# KiCad board TERES_PCB1-A64-MAIN_Rev.B.kicad_pcb
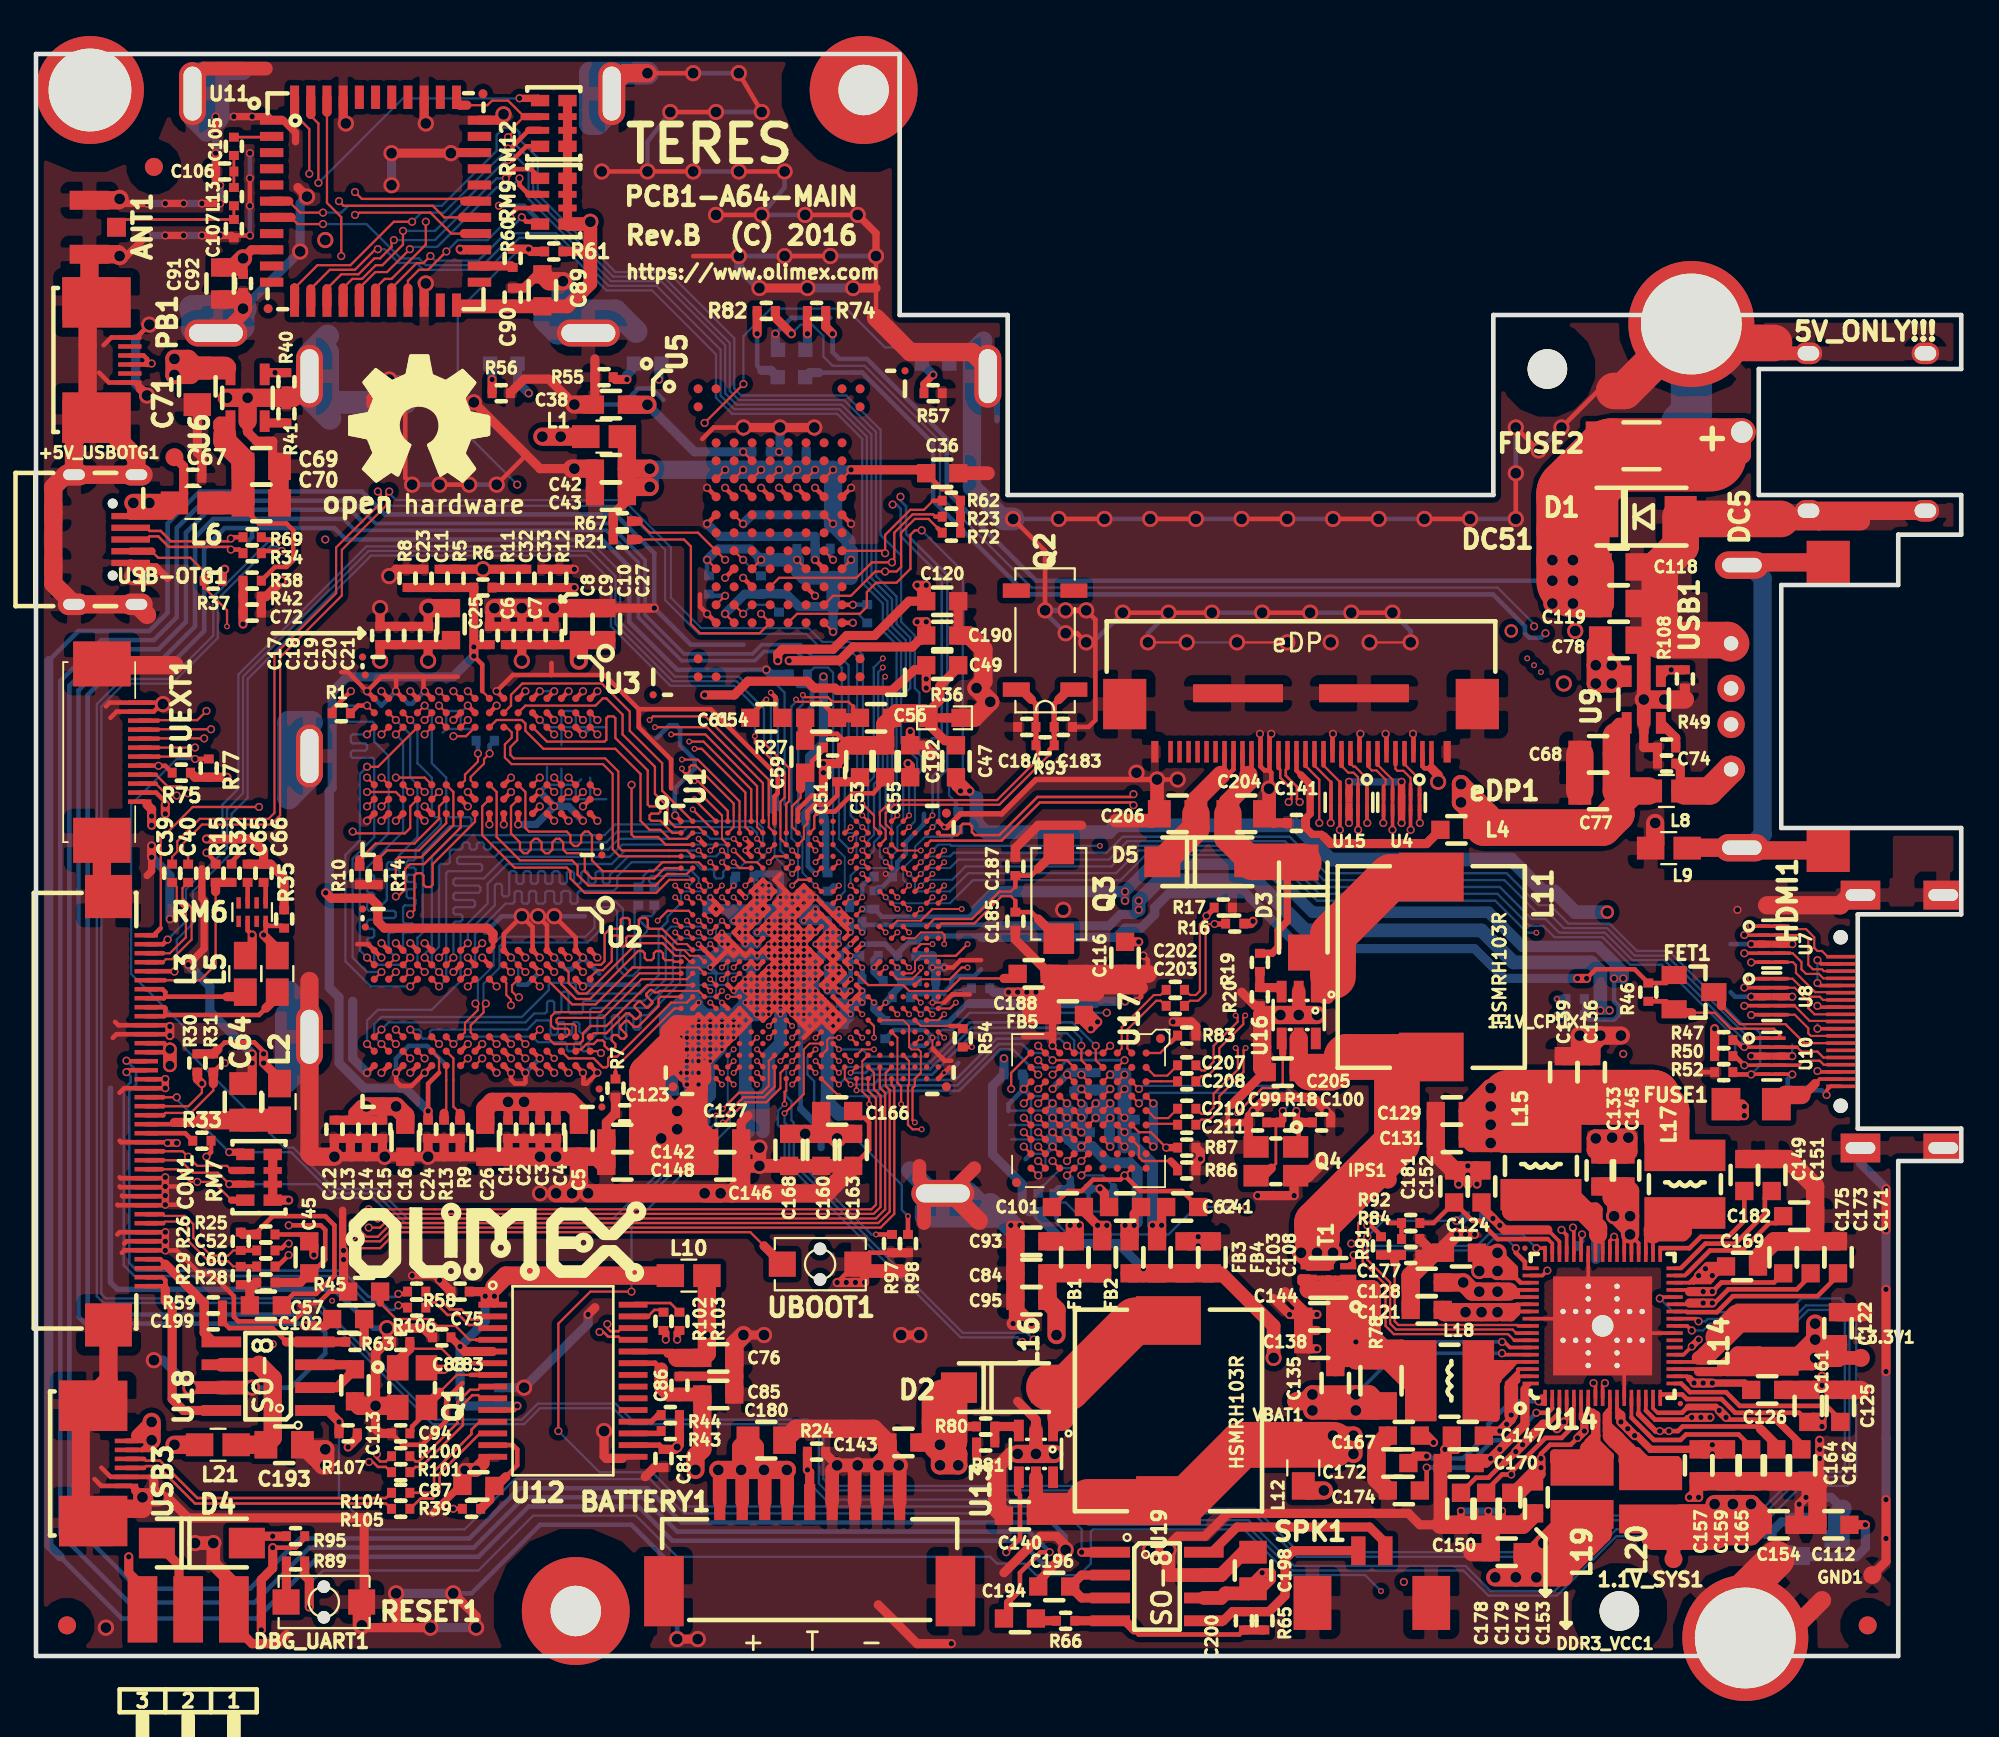
[diagram p0: board, top side]
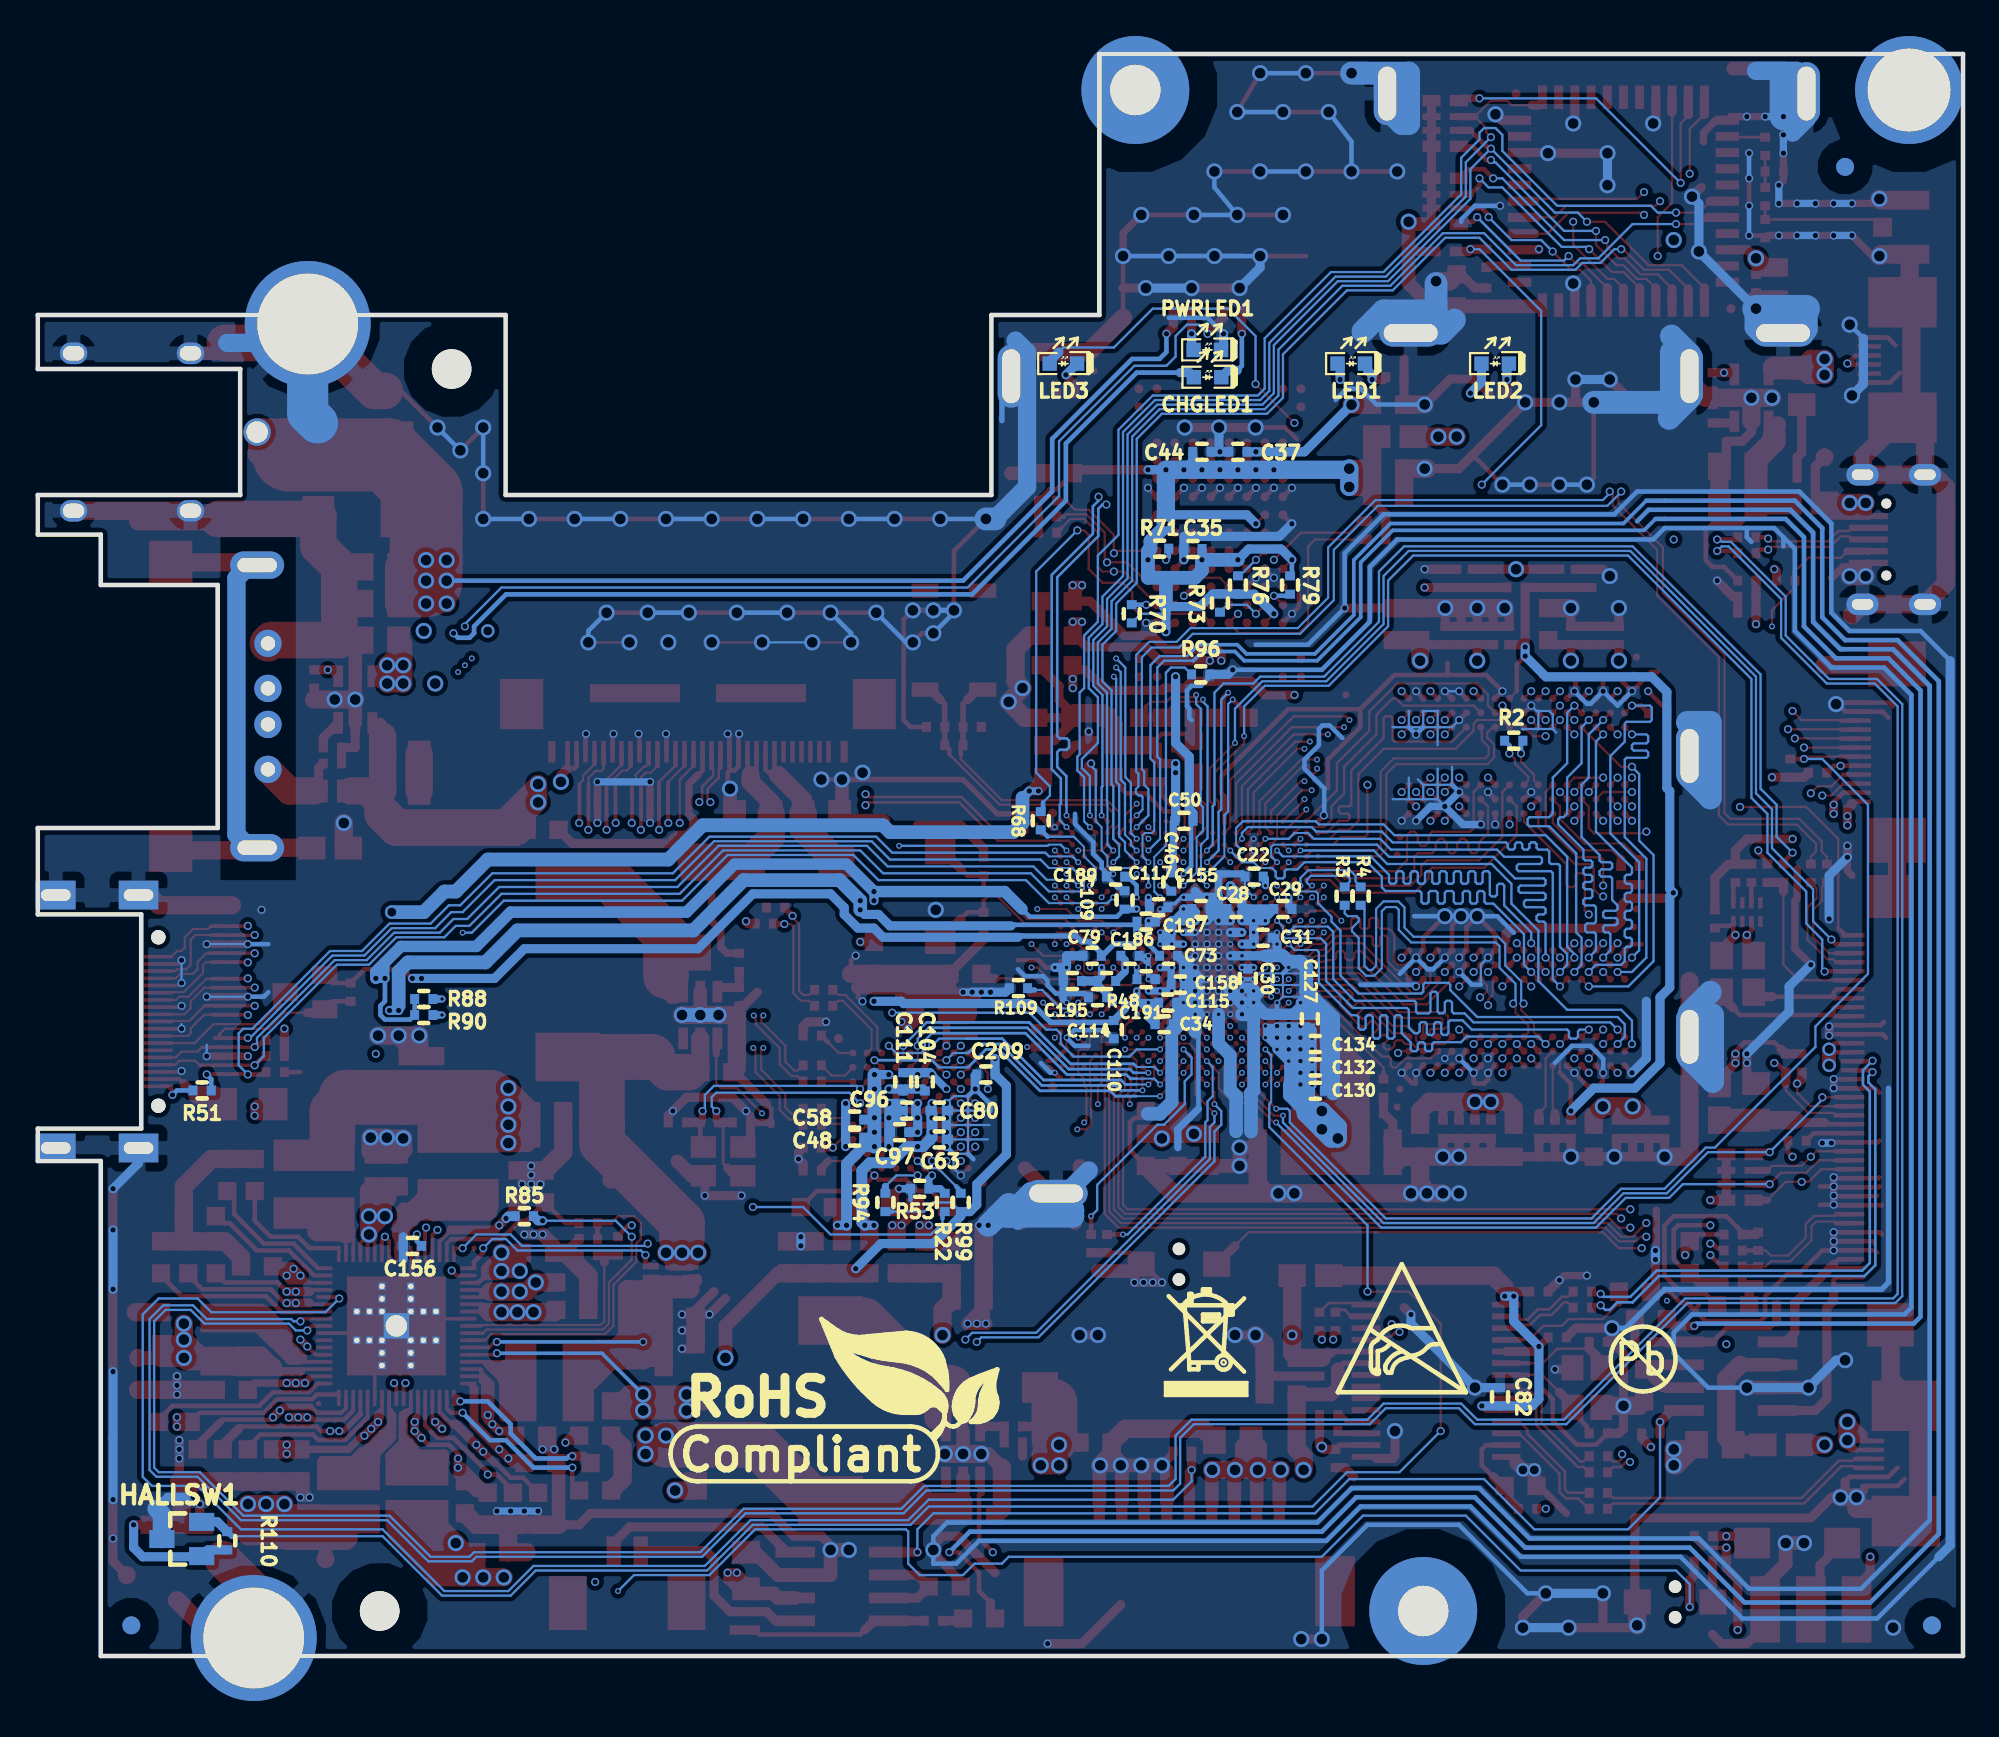
[diagram p1: board, bottom side, seen from below]

Outline 107 x 89 mm; copper layers: Top, In1.Cu (plane), In2.Cu, In3.Cu, In4.Cu (plane), Bottom. Coordinates in mm from the lower left corner of the outline.
Outline path: 0,89 48,89 48,74.5 54,74.5 54,64.5 81,64.5 81,74.5 107,74.5 107,71.5 95.75,71.5 95.75,64.5 107,64.5 107,62.3 103.5,62.3 103.5,59.5 97,59.5 97,46 107,46 107,41.2 101.25,41.2 101.25,29.3 107,29.3 107,27.5 103.5,27.5 103.5,0 0,0 0,89

## Placement (name value [footprint] x y rotation side)
1.1V_CPUX1  TESTPAD  [TESTPAD_40-ROUND]  83.26 31.67 0 top
1.1V_SYS1  TESTPAD  [TESTPAD_40-ROUND]  91.01 5.39 0 top
+3.3V1  TESTPAD  [TESTPAD_40-ROUND]  101.42 16.56 0 top
+5V_USBOTG1  +5V_USBOTG  [TESTPAD_40-ROUND]  7.7 66.6 0 top
ANT1  PCB_WIFI_ANT  [U.FL-R-SMT-1]  2.97 79.38 90 top
BATTERY1  BATTCON  [BATCONN-TERES]  43 4.8 180 top
C1  100nF  [C_0402_5MIL_DWS]  26.24 29.26 270 top
C2  100nF  [C_0402_5MIL_DWS]  27.13 29.26 270 top
C3  100nF  [C_0402_5MIL_DWS]  28.02 29.26 270 top
C4  100nF  [C_0402_5MIL_DWS]  28.91 29.26 270 top
C5  10uF/6.3V/0603  [C_0603_5MIL_DWS]  30.18 28.63 270 top
C6  100nF  [C_0402_5MIL_DWS]  26.11 56.69 90 top
C7  100nF  [C_0402_5MIL_DWS]  27 56.69 90 top
C8  100nF  [C_0402_5MIL_DWS]  27.89 56.69 90 top
C9  100nF  [C_0402_5MIL_DWS]  28.78 56.69 90 top
C10  10uF/6.3V/0603  [C_0603_5MIL_DWS]  30.18 57.33 90 top
C11  100nF  [C_0402_5MIL_DWS]  22.43 59.87 270 top
C12  100nF  [C_0402_5MIL_DWS]  16.59 29.26 270 top
C13  100nF  [C_0402_5MIL_DWS]  17.47 29.26 270 top
C14  100nF  [C_0402_5MIL_DWS]  18.36 29.26 270 top
C15  100nF  [C_0402_5MIL_DWS]  19.25 29.26 270 top
C16  10uF/6.3V/0603  [C_0603_5MIL_DWS]  20.52 28.63 270 top
C17  100nF  [C_0402_5MIL_DWS]  19.13 56.69 90 top
C18  100nF  [C_0402_5MIL_DWS]  20.02 56.69 90 top
C19  100nF  [C_0402_5MIL_DWS]  20.9 56.69 90 top
C20  100nF  [C_0402_5MIL_DWS]  21.79 56.69 90 top
C21  10uF/6.3V/0603  [C_0603_5MIL_DWS]  23.06 57.33 90 top
C22  100nF  [C_0402_5MIL_DWS]  39.4 43.3 180 bottom
C23  100nF  [C_0402_5MIL_DWS]  21.54 59.87 90 top
C24  100nF  [C_0402_5MIL_DWS]  21.79 29.26 270 top
C25  100nF  [C_0402_5MIL_DWS]  25.22 56.69 90 top
C26  10uF/6.3V/0603  [C_0603_5MIL_DWS]  24.97 28.63 270 top
C27  1uF/6.3V/0603  [C_0603_5MIL_DWS]  31.7 57.33 90 top
C28  100nF  [C_0402_5MIL_DWS]  40.4 41.5 0 bottom
C29  100nF  [C_0402_5MIL_DWS]  37.8 41.5 180 bottom
C30  100nF  [C_0402_5MIL_DWS]  39.75 37.65 270 bottom
C31  100nF  [C_0402_5MIL_DWS]  38.9 39.9 180 bottom
C32  100nF  [C_0402_5MIL_DWS]  27.25 59.87 90 top
C33  100nF  [C_0402_5MIL_DWS]  28.14 59.87 270 top
C34  100nF  [C_0402_5MIL_DWS]  44.4 35.1 0 bottom
C35  100nF  [C_0402_5MIL_DWS]  42.8 61.5 180 bottom
C36  1uF/6.3V/0603  [C_0603_5MIL_DWS]  50.37 65.71 180 top
C37  100nF  [C_0402_5MIL_DWS]  40.3 66.9 180 bottom
C38  1uF/6.3V/0603  [C_0603_5MIL_DWS]  31.95 69.52 0 top
C39  100nF  [C_0402_5MIL_DWS]  7.57 43.48 270 top
C40  100nF  [C_0402_5MIL_DWS]  8.46 43.48 270 top
C41  4.7uF/6.3V  [C_0603_5MIL_DWS]  63.7 24.94 180 top
C42  10uF/6.3V/0603  [C_0603_5MIL_DWS]  31.95 65.96 180 top
C43  1uF/6.3V/0603  [C_0603_5MIL_DWS]  31.95 64.44 180 top
C44  100nF  [C_0402_5MIL_DWS]  42.3 66.9 180 bottom
C45  1uF/6.3V/0603  [C_0603_5MIL_DWS]  15.19 22.15 90 top
C46  100nF  [C_0402_5MIL_DWS]  44 43 90 bottom
C47  10uF/6.3V/0603  [C_0603_5MIL_DWS]  51.13 49.71 270 top
C48  100nF/6.3V  [C_0402_5MIL_DWS]  61.6 28.8 180 bottom
C49  10uF/6.3V/0603  [C_0603_5MIL_DWS]  50.37 55.04 0 top
C50  100nF  [C_0402_5MIL_DWS]  43.3 46.4 180 bottom
C51  100nF  [C_0402_5MIL_DWS]  44.53 49.07 90 top
C52  100nF  [C_0402_5MIL_DWS]  12.78 22.53 0 top
C53  10uF/6.3V/0603  [C_0603_5MIL_DWS]  45.8 49.71 90 top
C54  10uF/6.3V/0603  [C_0603_5MIL_DWS]  43.64 52.12 0 top
C55  1uF/6.3V/0603  [C_0603_5MIL_DWS]  47.19 49.71 90 top
C56  2.2uF/6.3V/0603  [C_0603_5MIL_DWS]  46.69 52.12 180 top
C57  10uF/6.3V/0603  [C_0603_5MIL_DWS]  12.78 19.48 0 top
C58  10nF/6.3V  [C_0402_5MIL_DWS]  61.6 29.8 180 bottom
C59  10uF/6.3V/0603  [C_0603_5MIL_DWS]  42.75 49.96 90 top
C60  100nF  [C_0402_5MIL_DWS]  12.78 21.64 0 top
C61  2.2uF/6.3V/0603  [C_0603_5MIL_DWS]  40.59 52.12 0 top
C62  4.7uF/6.3V  [C_0603_5MIL_DWS]  60.53 24.94 0 top
C63  100nF/6.3V  [C_0402_5MIL_DWS]  56.9 28.7 0 bottom
C64  47uF/6.3V/0805  [C_0805_5MIL_DWS]  11.51 30.78 90 top
C65  100nF  [C_0402_5MIL_DWS]  11.76 43.48 270 top
C66  100nF  [C_0402_5MIL_DWS]  12.65 43.48 270 top
C67  100nF  [C_0402_5MIL_DWS]  8.71 65.46 0 top
C68  47uF/6.3V/0805  [C_0805_5MIL_DWS]  86.82 50.09 0 top
C69  47uF/6.3V/0805  [C_0805_5MIL_DWS]  12.52 66.09 180 top
C70  47uF/6.3V/0805  [C_0805_5MIL_DWS]  12.52 64.06 180 top
C71  47uF/6.3V/0805  [C_0805_5MIL_DWS]  8.97 70.54 270 top
C72  100nF  [C_0402_5MIL_DWS]  12.01 57.96 180 top
C73  100nF  [C_0402_5MIL_DWS]  44.15 38.9 0 bottom
C74  100nF  [C_0402_5MIL_DWS]  90.63 49.58 180 top
C75  100nF  [C_0402_5MIL_DWS]  23.57 20.24 180 top
C76  10uF  [C_0603_5MIL_DWS]  37.92 16.56 0 top
C77  47uF/6.3V/0805  [C_0805_5MIL_DWS]  86.82 48.06 0 top
C78  47uF/6.3V/0805  [C_0805_5MIL_DWS]  87.96 56.44 0 top
C79  100nF  [C_0402_5MIL_DWS]  48.4 38.9 180 bottom
C80  10nF/6.3V  [C_0402_5MIL_DWS]  56.9 30.3 0 bottom
C81  100nF  [C_0402_5MIL_DWS]  34.87 10.97 270 top
C82  100nF  [C_0402_5MIL_DWS]  25.73 14.4 90 bottom
C83  100nF  [C_0402_5MIL_DWS]  22.56 17.7 180 top
C84  22uF/6.3V  [C_0603_5MIL_DWS]  55.32 21.26 180 top
C85  10uF  [R_0603_5MIL_DWS]  37.92 14.53 180 top
C86  100nF  [C_0402_5MIL_DWS]  35.76 15.04 90 top
C87  1uF  [C_0603_5MIL_DWS]  24.59 9.45 180 top
C88  33pF  [C_0402_5MIL_DWS]  20.27 17.45 180 top
C89  10uF/6.3V/0603  [C_0603_5MIL_DWS]  28.14 75.87 270 top
C90  100nF  [C_0402_5MIL_DWS]  26.49 75.49 270 top
C91  10uF/6.3V/0603  [C_0603_5MIL_DWS]  10.24 76.25 90 top
C92  100nF  [C_0402_5MIL_DWS]  11.51 76.25 90 top
C93  4.7uF/6.3V  [C_0603_5MIL_DWS]  55.32 23.04 0 top
C94  33pF  [C_0402_5MIL_DWS]  20.27 12.37 180 top
C95  22uF/6.3V  [C_0603_5MIL_DWS]  55.32 19.74 180 top
C96  100nF/6.3V  [C_0402_5MIL_DWS]  58.7 30.3 180 bottom
C97  10nF/6.3V  [C_0402_5MIL_DWS]  59.1 29.1 180 bottom
C99  22pF  [C_0402_5MIL_DWS]  67.89 29.64 180 top
C100  22pF  [C_0402_5MIL_DWS]  71.45 29.64 180 top
C101  4.7uF/6.3V  [C_0603_5MIL_DWS]  57.35 24.94 0 top
C102  1uF/6.3V/0603  [C_0603_5MIL_DWS]  17.35 18.72 180 top
C103  22uF/6.3V  [C_0603_5MIL_DWS]  63.83 22.15 90 top
C104  100nF/6.3V  [C_0402_5MIL_DWS]  57.7 31.9 270 bottom
C105  10pF  [C_0402_5MIL_DWS]  11 83.87 270 top
C106  0.8pF  [C_0402_5MIL_DWS]  10.49 82.47 0 top
C107  1.5pF  [C_0402_5MIL_DWS]  11 79.3 90 top
C108  22uF/6.3V  [C_0603_5MIL_DWS]  65.35 22.15 90 top
C109  100nF  [C_0402_5MIL_DWS]  46.6 42 90 bottom
C110  100nF  [C_0402_5MIL_DWS]  47.2 34.8 90 bottom
C111  10nF/6.3V  [C_0402_5MIL_DWS]  58.9 31.9 270 bottom
C112  1uF/6.3V/0603  [C_0603_5MIL_DWS]  99.9 7.29 0 top
C113  1uF/6.3V/0603  [C_0603_5MIL_DWS]  17.73 15.04 270 top
C114  (na)100nF  [C_0402_5MIL_DWS]  48.1 36.6 180 bottom
C115  100nF  [C_0402_5MIL_DWS]  44.2 36.3 0 bottom
C116  10uF/6.3V/0603  [C_0603_5MIL_DWS]  60.53 38.79 90 top
C117  100nF  [C_0402_5MIL_DWS]  44.7 41.6 0 bottom
C118  47uF/6.3V/0805  [C_0805_5MIL_DWS]  87.96 60.5 180 top
C119  47uF/6.3V/0805  [C_0805_5MIL_DWS]  87.96 58.47 180 top
C120  1uF/6.3V/0603  [C_0603_5MIL_DWS]  50.37 58.6 180 top
C121  10uF/6.3V/0603  [C_0603_5MIL_DWS]  77.29 19.23 180 top
C122  10uF/6.3V/0603  [C_0603_5MIL_DWS]  100.15 18.21 270 top
C123  100nF  [C_0402_5MIL_DWS]  32.72 30.15 0 top
C124  10uF/6.3V/0603  [C_0603_5MIL_DWS]  79.2 22.4 180 top
C125  10uF/6.3V/0603  [C_0603_5MIL_DWS]  100.28 13.89 270 top
C126  10uF/6.3V/0603  [C_0603_5MIL_DWS]  96.22 14.78 180 top
C127  100nF  [C_0402_5MIL_DWS]  36.3 35.4 270 bottom
C128  10uF/6.3V/0603  [C_0603_5MIL_DWS]  77.29 20.75 180 top
C129  10uF/6.3V/0603  [C_0603_5MIL_DWS]  78.69 30.28 0 top
C130  100nF  [C_0402_5MIL_DWS]  36 31.4 0 bottom
C131  10uF/6.3V/0603  [C_0603_5MIL_DWS]  78.69 28.75 0 top
C132  100nF  [C_0402_5MIL_DWS]  36 32.7 0 bottom
C133  10uF/6.3V/0603  [C_0603_5MIL_DWS]  86.94 26.97 270 top
C134  100nF  [C_0402_5MIL_DWS]  36 34 0 bottom
C135  1uF/6.3V/0603  [C_0603_5MIL_DWS]  72.21 15.16 270 top
C136  10uF/6.3V/0603  [C_0603_5MIL_DWS]  86.44 32.44 270 top
C137  1uF/6.3V/0603  [C_0603_5MIL_DWS]  38.3 28.75 180 top
C138  10uF/6.3V/0603  [C_0603_5MIL_DWS]  71.32 17.32 180 top
C139  10uF/6.3V/0603  [C_0603_5MIL_DWS]  84.91 32.44 270 top
C140  10uF/6.3V/0603  [C_0603_5MIL_DWS]  54.69 7.8 0 top
C141  100nF  [C_0402_5MIL_DWS]  70.05 46.28 180 top
C142  1uF/6.3V/0603  [C_0603_5MIL_DWS]  32.59 28.75 0 top
C143  10uF/6.3V/0603  [C_0603_5MIL_DWS]  48.21 11.86 0 top
C144  10uF/6.3V/0603  [C_0603_5MIL_DWS]  71.32 18.85 180 top
C145  10uF/6.3V/0603  [C_0603_5MIL_DWS]  88.34 26.97 270 top
C146  10uF/6.3V/0603  [C_0603_5MIL_DWS]  38.3 27.23 180 top
C147  10uF/6.3V/0603  [C_0603_5MIL_DWS]  79.58 12.24 180 top
C148  10uF/6.3V/0603  [C_0603_5MIL_DWS]  32.59 27.23 0 top
C149  10uF/6.3V/0603  [C_0603_5MIL_DWS]  94.94 26.72 90 top
C150  10uF/6.3V/0603  [C_0603_5MIL_DWS]  81.74 5.77 0 top
C151  10uF/6.3V/0603  [C_0603_5MIL_DWS]  96.47 26.72 90 top
C152  10uF/6.3V/0603  [C_0603_5MIL_DWS]  80.34 26.09 90 top
C153  10uF/6.3V/0603  [C_0603_5MIL_DWS]  83.26 8.81 90 top
C154  10uF/6.3V/0603  [C_0603_5MIL_DWS]  96.85 7.29 180 top
C155  100nF  [C_0402_5MIL_DWS]  42.35 41.5 0 bottom
C156  100nF  [C_0402_5MIL_DWS]  86.18 22.78 180 bottom
C157  10uF/6.3V/0603  [C_0603_5MIL_DWS]  92.41 10.59 90 top
C158  100nF  [C_0402_5MIL_DWS]  43.5 37.3 0 bottom
C159  10uF/6.3V/0603  [C_0603_5MIL_DWS]  93.93 10.59 90 top
C160  1uF/6.3V/0603  [C_0603_5MIL_DWS]  43.64 28.12 90 top
C161  10uF/6.3V/0603  [C_0603_5MIL_DWS]  98.5 13.89 270 top
C162  10uF/6.3V/0603  [C_0603_5MIL_DWS]  98.12 10.59 90 top
C163  1uF/6.3V/0603  [C_0603_5MIL_DWS]  45.41 28.12 90 top
C164  10uF/6.3V/0603  [C_0603_5MIL_DWS]  96.72 10.59 90 top
C165  10uF/6.3V/0603  [C_0603_5MIL_DWS]  95.33 10.59 90 top
C166  10uF/6.3V/0603  [C_0603_5MIL_DWS]  44.53 30.28 180 top
C167  10uF/6.3V/0603  [C_0603_5MIL_DWS]  76.02 12.24 0 top
C168  10uF/6.3V/0603  [C_0603_5MIL_DWS]  41.86 28.12 90 top
C169  10uF/6.3V/0603  [C_0603_5MIL_DWS]  94.82 21.64 0 top
C170  10uF/6.3V/0603  [C_0603_5MIL_DWS]  79.07 10.72 0 top
C171  10uF/6.3V/0603  [C_0603_5MIL_DWS]  100.15 22.15 90 top
C172  10uF/6.3V/0603  [C_0603_5MIL_DWS]  75.39 10.72 0 top
C173  10uF/6.3V/0603  [C_0603_5MIL_DWS]  98.63 22.15 90 top
C174  NA(10uF/6.3V/0603)  [C_0603_5MIL_DWS]  76.02 9.19 0 top
C175  10uF/6.3V/0603  [C_0603_5MIL_DWS]  97.1 22.15 90 top
C176  10uF/6.3V/0603  [C_0603_5MIL_DWS]  81.99 8.18 90 top
C177  100nF  [C_0402_5MIL_DWS]  76.4 22.28 180 top
C178  10uF/6.3V/0603  [C_0603_5MIL_DWS]  79.2 8.18 90 top
C179  10uF/6.3V/0603  [C_0603_5MIL_DWS]  80.59 8.18 90 top
C180  47uF/6.3V/0805  [C_0805_5MIL_DWS]  40.59 11.99 180 top
C181  1uF/6.3V/0603  [C_0603_5MIL_DWS]  78.82 26.09 270 top
C182  1uF/6.3V/0603  [C_0603_5MIL_DWS]  97.99 24.44 180 top
C183  10pF  [C_0402_5MIL_DWS]  57.1 51.61 0 top
C184  10pF  [C_0402_5MIL_DWS]  55.07 51.61 180 top
C185  33pF  [C_0402_5MIL_DWS]  54.43 40.82 270 top
C186  100nF  [C_0402_5MIL_DWS]  46.3 38.9 0 bottom
C187  33pF  [C_0402_5MIL_DWS]  54.43 43.87 90 top
C188  10uF/6.3V/0603  [C_0603_5MIL_DWS]  55.45 37.9 180 top
C189  100nF  [C_0402_5MIL_DWS]  47.1 43.3 180 bottom
C190  1uF/6.3V/0603  [C_0603_5MIL_DWS]  50.37 56.69 180 top
C191  100nF  [C_0402_5MIL_DWS]  45.4 37.6 0 bottom
C192  10uF/6.3V/0603  [C_0603_5MIL_DWS]  48.59 49.71 270 top
C193  47uF  [C_0805_5MIL_DWS]  13.79 11.73 0 top
C194  1uF/6.3V/0603  [C_0603_5MIL_DWS]  54.69 2.08 180 top
C195  (na)100nF  [C_0402_5MIL_DWS]  49.5 37.5 180 bottom
C196  1uF/6.3V/0603  [C_0603_5MIL_DWS]  56.59 3.86 180 top
C197  100nF  [C_0402_5MIL_DWS]  45.4 40.8 180 bottom
C198  47uF  [C_0805_5MIL_DWS]  67.64 4.75 90 top
C199  100pF  [C_0402_5MIL_DWS]  9.86 18.59 0 top
C200  100pF  [C_0402_5MIL_DWS]  67.13 1.96 270 top
C202  100nF  [C_0402_5MIL_DWS]  63.32 37.01 0 top
C203  100nF  [C_0402_5MIL_DWS]  63.32 36.12 0 top
C204  2.2uF/50V  [R_0805_5MIL_DWS]  67.26 46.79 0 top
C205  22uF/6.3V  [C_0603_5MIL_DWS]  69.29 32.44 180 top
C206  (na) 2.2uF/50V  [C_0805_5MIL_DWS]  63.45 46.79 180 top
C207  100nF  [C_0402_5MIL_DWS]  63.96 32.82 0 top
C208  100nF  [C_0402_5MIL_DWS]  63.96 31.93 0 top
C209  100nF  [C_0402_5MIL_DWS]  54.31 32.31 0 bottom
C210  100nF  [C_0402_5MIL_DWS]  63.96 30.4 0 top
C211  100nF  [C_0402_5MIL_DWS]  63.96 29.52 0 top
CHGLED1  LED/RED/0603  [LED_0603_KA]  41.99 71.04 0 bottom
CON1  CONN_01X40  [FPV-WZA21-40-LF]  3.38 30.29 90 top
D1  SMBJ6.0A  [DO214AA]  89.23 63.3 0 top
D2  1N5822/SS34/SMA  [SMA-KA]  53.8 14.91 0 top
D3  1N5822/SS34/SMA  [SMA-KA]  70.43 41.58 270 top
D4  1N5822/SS34/SMA  [SMA-KA]  9.22 6.27 0 top
D5  NA(1N5822/SS34/SMA)  [SMA-KA]  65.1 44.12 0 top
DBG_UART1  NA(HN1x3)  [HN1x3(SMD)]  8.46 2.59 180 top
DC5  PWR-JACK-THERES  [DC-055-TERES]  107.01 68 90 top
DC51  TESTPAD  [TESTPAD_40-ROUND]  84.15 62.41 0 top
DDR3_VCC1  TESTPAD  [TESTPAD_40-ROUND]  84.91 4.37 0 top
eDP1  LCD_CONN  [eDP-TERES]  70.31 51.48 180 top
EUEXT1  CONN_01X12  [FPV-WZB21-12-LF]  4.01 50.22 90 top
FB1  FB0603/600R/200mA  [L_0603_5MIL_DWS]  57.73 22.15 90 top
FB2  FB0603/600R/200mA  [L_0603_5MIL_DWS]  59.26 22.15 90 top
FB3  FB0603/600R/200mA  [L_0603_5MIL_DWS]  60.78 22.15 90 top
FB4  FB0603/600R/200mA  [L_0603_5MIL_DWS]  62.31 22.15 90 top
FB5  FB0603/600R/200mA  [L_0603_5MIL_DWS]  57.35 35.61 180 top
FET1  BSS138(SOT23-3)  [SOT23]  92.15 36.88 180 top
FUSE1  FSMD035  [FUSE-1206]  95.33 30.66 0 top
FUSE2  NA(5025)  [FUSE-5025]  89.23 67.23 0 top
GND1  TESTPAD  [TESTPAD_40-ROUND]  102.06 4.5 0 top
HALLSW1  TCS40DPR  [SOT23]  99 6.5 180 bottom
HDMI1  HDMI-SWM-19  [HDMI-MINI-TERES]  108 35.25 90 top
HOLE1  TESTPAD  [Oval_Drill]  50.4 25.7 0 top
HOLE2  TESTPAD  [Oval_Drill]  15.2 34.4 90 top
HOLE3  TESTPAD  [Oval_Drill]  15.2 71.1 90 top
HOLE4  TESTPAD  [Oval_Drill]  52.9 71.1 90 top
HOLE5  TESTPAD  [Oval_Drill]  10 73.5 180 top
HOLE6  TESTPAD  [Oval_Drill]  30.7 73.5 0 top
HOLE7  TESTPAD  [Oval_Drill]  32 86.8 90 top
HOLE8  TESTPAD  [Oval_Drill]  8.7 86.8 90 top
HOLE9  TESTPAD  [Oval_Drill]  15.2 50 90 top
IPS1  TESTPAD  [TESTPAD_40-ROUND]  75.13 26.47 0 top
L1  FB0805/600R/2A  [L_0805_5MIL_DWS]  31.57 67.74 0 top
L2  FB0805/600R/2A  [L_0805_5MIL_DWS]  13.54 30.78 270 top
L3  FB0805/600R/2A  [L_0805_5MIL_DWS]  11.63 37.9 270 top
L4  FB0603/600R/200mA  [L_0603_5MIL_DWS]  78.94 45.9 0 top
L5  FB0805/600R/2A  [L_0805_5MIL_DWS]  13.41 37.9 270 top
L6  FB0805/600R/2A  [L_0805_5MIL_DWS]  8.71 64.06 180 top
L8  FB0805/600R/2A  [L_0805_5MIL_DWS]  90.63 48.06 0 top
L9  FB0805/600R/2A  [L_0805_5MIL_DWS]  90.75 44.88 0 top
L10  FB0805/600R/2A  [L_0805_5MIL_DWS]  36.27 21.13 180 top
L11  HSMRH103R-220M  [HSMRH103R]  77.55 38.28 90 top
L12  FB0805/600R/2A  [L_0805_5MIL_DWS]  70.43 10.47 90 top
L13  3.3nH  [R_0402_5MIL_DWS]  11 81.08 270 top
L14  SWPA3015S1R5NT(1.5uH/2.30A/DCR<0.1R/CD32)  [CD32]  96.22 17.58 90 top
L15  SWPA4018S1R5NT(1.5uH/3.35A/DCR<0.1R/CD43)  [CD42(43)]  83.64 27.23 90 top
L16  HSMRH103R-2R5M  [HSMRH103R]  62.94 13.64 90 top
L17  SWPA4018S1R5NT(1.5uH/3.35A/DCR<0.1R/CD43)  [CD42(43)]  91.64 26.21 90 top
L18  SWPA4018S1R5NT(1.5uH/3.35A/DCR<0.1R/CD43)  [CD42(43)]  78.56 15.29 0 top
L19  SWPA3015S1R5NT(1.5uH/2.30A/DCR<0.1R/CD32)  [CD32]  85.93 9.07 90 top
L20  SWPA3015S1R5NT(1.5uH/2.30A/DCR<0.1R/CD32)  [CD32]  89.74 8.81 90 top
L21  FB0805/600R/2A  [L_0805_5MIL_DWS]  10.11 11.73 180 top
LED1  GREEN  [LED_0603_KA]  34 71.8 0 bottom
LED2  GREEN  [LED_0603_KA]  26 71.8 0 bottom
LED3  GREEN  [LED_0603_KA]  50 71.8 0 bottom
MountingHole  Mounting_hole_3.3mm  [Mounting_hole_5.6mm_TERES]  92 74 0 top
MountingHole#2  Mounting_hole_3.3mm  [Mounting_hole_5.6mm_TERES]  95 1 0 top
MountingHole#3  -  [Mounting_hole_3.3mm]  50.76 4.27 0 top
MountingHole#4  Mounting_hole_3.3mm  [Mounting_hole_2.8mm]  46 87 0 top
MountingHole#5  Mounting_hole_3.3mm  [Mounting_hole_TERES_4.6mm]  3 87 0 top
MountingHole#6  Mounting_hole_3.3mm  [NPTH_2.2mm]  84 71.5 0 top
MountingHole#7  Mounting_hole_3.3mm  [NPTH_2.2mm]  88 2.5 0 top
NOREF  -  [Fiducial1x3_transp]  6.55 82.73 0 top
NOREF#2  -  [Fiducial1x3_transp]  1.73 1.7 0 top
NOREF#3  -  [Fiducial1x3_transp]  101.8 1.7 0 top
NOREF#4  -  [LOGO_OPENHARDWARE_8x8]  21.28 68.25 0 top
NOREF#5  -  [OLIMEX_LOGO_TB]  25.73 23.04 0 top
NOREF#6  -  [Fiducial1x3_transp]  101.8 1.7 0 bottom
NOREF#7  -  [Fiducial1x3_transp]  6.55 82.73 0 bottom
NOREF#8  -  [Fiducial1x3_transp]  1.73 1.7 0 bottom
NOREF#9  -  [LOGO_PBFREE]  17.98 16.81 0 bottom
NOREF#10  -  [LOGO_RECYCLEBIN_1]  44.4 14.4 180 bottom
PB1  CONN_01X06  [FLEXCON-0.5-6]  3.06 72 270 top
PWRLED1  LED/Green/0603  [LED_0603_KA]  42 72.56 0 bottom
Q1  12MHz-20pf  [TSX-3.2x2.5mm_GND(3)]  20.9 14.91 270 top
Q2  MC-306_32.768KHZ/SMD_8038/6pF  [MC306-HS]  56.08 56.44 90 top
Q3  4SB24.000F20E15/5x3.2mm/20ppm/20pF  [Q5x3.25]  56.84 42.34 90 top
Q4  27.000MHz/20ppm  [TSX-3.2x2.5mm_GND(3)]  68.91 27.48 180 top
R1  2k/1%  [R_0402_5MIL_DWS]  16.97 52.38 180 top
R2  100R/1%  [R_0402_5MIL_DWS]  24.97 50.85 0 bottom
R3  22R  [R_0402_5MIL_DWS]  34.37 42.22 90 bottom
R4  22R  [R_0402_5MIL_DWS]  33.48 42.22 90 bottom
R5  2k/1%  [R_0402_5MIL_DWS]  23.32 59.87 90 top
R6  NA  [R_0402_5MIL_DWS]  24.84 59.36 0 top
R7  240R/1%  [R_0402_5MIL_DWS]  32.21 31.55 90 top
R8  2k/1%  [R_0402_5MIL_DWS]  20.65 59.87 270 top
R9  240R/1%  [R_0402_5MIL_DWS]  23.57 29.26 270 top
R10  240R/1%  [R_0402_5MIL_DWS]  17.98 43.36 270 top
R11  2k/1%  [R_0402_5MIL_DWS]  26.36 59.87 90 top
R12  2k/1%  [R_0402_5MIL_DWS]  29.03 59.87 270 top
R13  NA(243R/1%)  [R_0402_5MIL_DWS]  22.68 29.26 270 top
R14  NA(243R/1%)  [R_0402_5MIL_DWS]  19 43.36 270 top
R15  47K  [R_0402_5MIL_DWS]  9.98 43.48 90 top
R16  (na)100K  [R_0402_5MIL_DWS]  66.62 40.69 180 top
R17  (na)100K  [R_0402_5MIL_DWS]  65.99 41.58 180 top
R18  1M  [R_0402_5MIL_DWS]  69.67 29.64 180 top
R19  22.1K /1%  [R_0402_5MIL_DWS]  68.02 38.53 270 top
R20  1.1K/1%  [R_0402_5MIL_DWS]  68.02 36.63 270 top
R21  10k  [R_0402_5MIL_DWS]  32.59 62.03 180 top
R22  1k  [R_0402_5MIL_DWS]  56.59 25.2 270 bottom
R23  10k  [R_0402_5MIL_DWS]  50.88 63.3 0 top
R24  (na)10K  [R_0402_5MIL_DWS]  43.38 11.35 0 top
R25  1k  [R_0402_5MIL_DWS]  12.78 23.42 0 top
R26  1.5k  [R_0402_5MIL_DWS]  11.38 23.04 90 top
R27  200k/1%  [R_0402_5MIL_DWS]  44.27 50.47 0 top
R28  1k  [R_0402_5MIL_DWS]  12.78 20.75 0 top
R29  1.5k  [R_0402_5MIL_DWS]  11.38 21.13 270 top
R30  100k  [R_0402_5MIL_DWS]  8.97 32.94 90 top
R31  10k  [R_0402_5MIL_DWS]  9.86 32.94 90 top
R32  1M  [R_0402_5MIL_DWS]  10.87 43.48 90 top
R33  22R  [R_0402_5MIL_DWS]  9.22 28.63 0 top
R34  22R  [R_0402_5MIL_DWS]  12.01 61.27 180 top
R35  100k  [R_0402_5MIL_DWS]  13.79 40.95 270 top
R36  0R(Board_Mounted)  [0R_0603]  50.5 52.12 180 top
R37  10k  [R_0402_5MIL_DWS]  9.86 59.74 0 top
R38  4.7k  [R_0402_5MIL_DWS]  12.01 59.74 0 top
R39  10k  [R_0402_5MIL_DWS]  24.21 8.18 0 top
R40  10k  [R_0402_5MIL_DWS]  13.92 70.79 90 top
R41  13k/1%  [R_0402_5MIL_DWS]  13.92 69.01 270 top
R42  10k  [R_0402_5MIL_DWS]  12.01 58.85 180 top
R43  10k  [R_0402_5MIL_DWS]  35.25 12.5 180 top
R44  47k  [R_0402_5MIL_DWS]  35.25 13.39 180 top
R45  680R/1%  [R_0603_5MIL_DWS]  18.24 20.24 0 top